# KiCad board EnvKB65.kicad_pcb
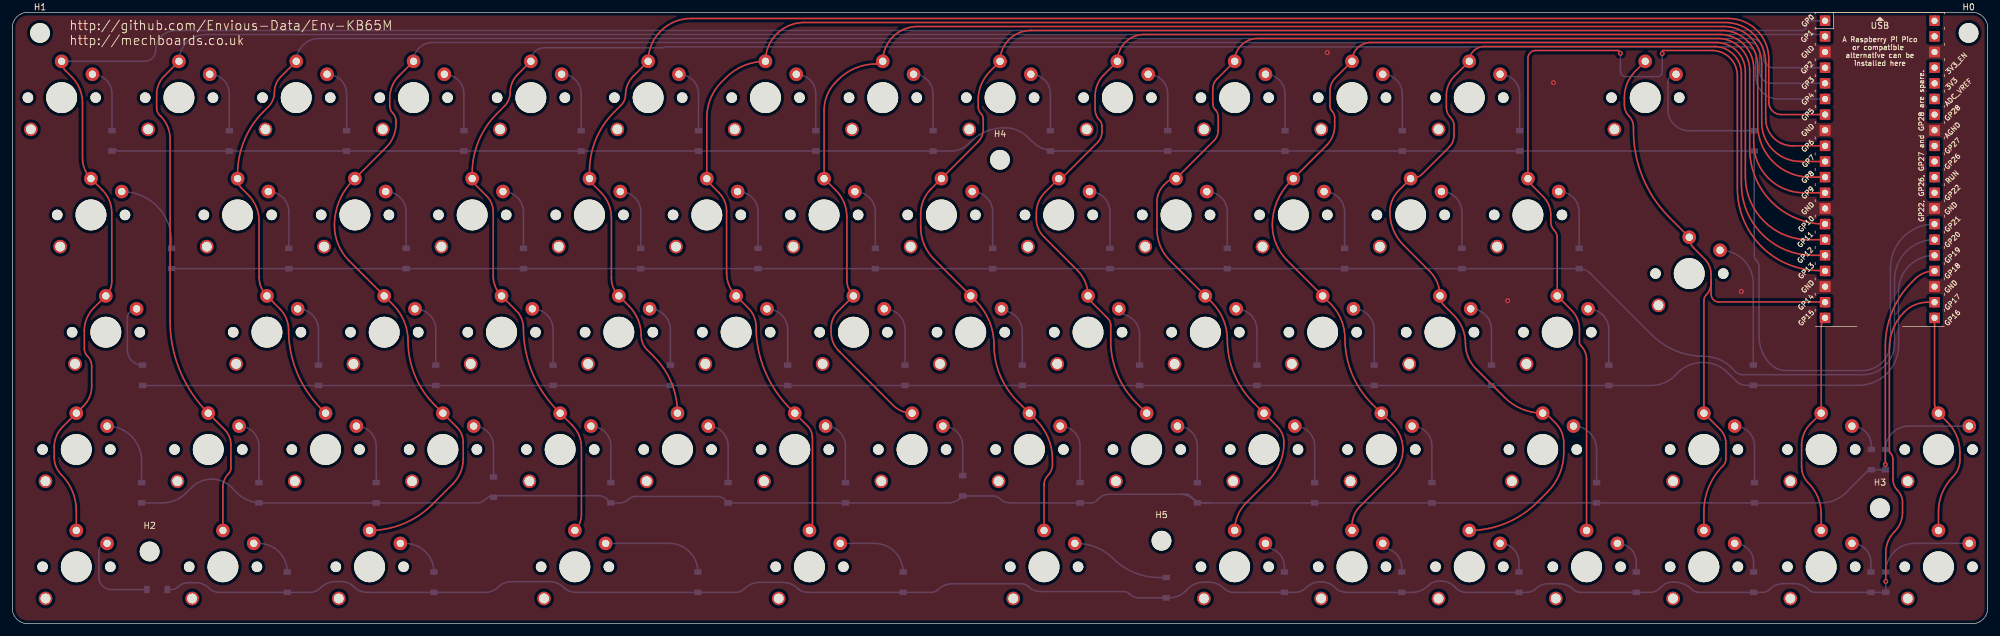
[diagram p0: board, top side]
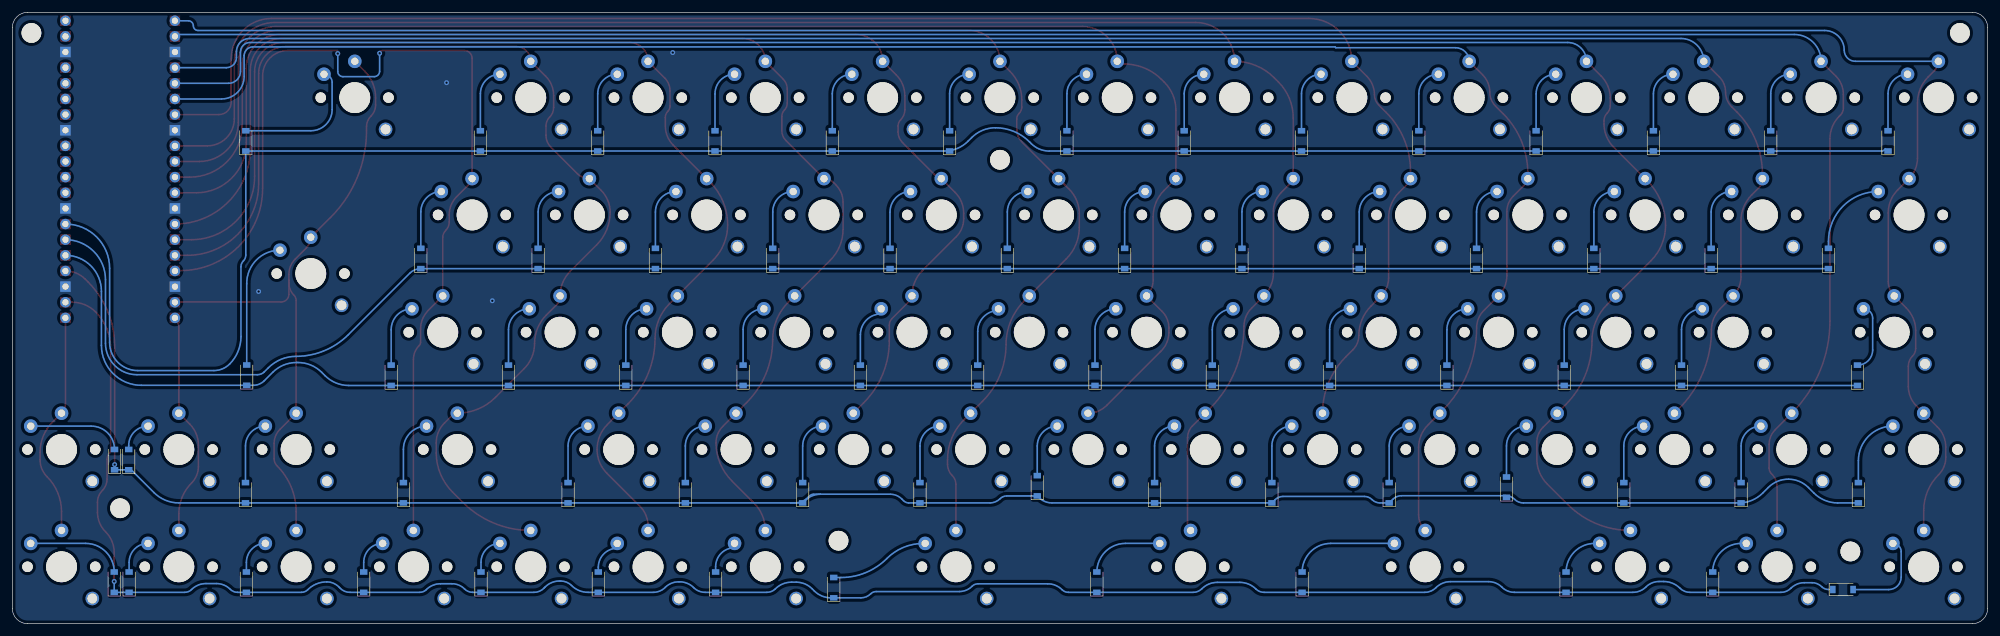
[diagram p1: board, bottom side, seen from below]

Outline 320.8 x 99.3 mm; copper layers: Top, Bottom. Coordinates in mm from the lower left corner of the outline.
Outline path: 0,96.8 arc(0.73,98.57) 2.5,99.3 318.3,99.3 arc(320.07,98.57) 320.8,96.8 320.8,2.5 arc(320.07,0.73) 318.3,0 2.5,0 arc(0.73,0.73) 0,2.5 0,96.8
Stack: Top 0.035mm / dielectric 1.51mm FR4 er 4.5 / Bottom 0.035mm

## Placement (name value [footprint] x y rotation side)
D_0  1n4148  [D_SOD-123]  16.18 78.42 90 bottom
D_1  1n4148  [D_SOD-123]  35.23 78.42 90 bottom
D_2  1n4148  [D_SOD-123]  54.28 78.42 90 bottom
D_3  1n4148  [D_SOD-123]  73.33 78.42 90 bottom
D_4  1n4148  [D_SOD-123]  92.38 78.42 90 bottom
D_5  1n4148  [D_SOD-123]  111.43 78.42 90 bottom
D_6  1n4148  [D_SOD-123]  130.48 78.42 90 bottom
D_7  1n4148  [D_SOD-123]  149.53 78.42 90 bottom
D_8  1n4148  [D_SOD-123]  168.58 78.42 90 bottom
D_9  1n4148  [D_SOD-123]  187.63 78.42 90 bottom
D_10  1n4148  [D_SOD-123]  206.68 78.42 90 bottom
D_11  1n4148  [D_SOD-123]  225.73 78.42 90 bottom
D_12  1n4148  [D_SOD-123]  244.78 78.42 90 bottom
D_13  1n4148  [D_SOD-123]  282.88 78.42 90 bottom
D_14  1n4148  [D_SOD-123]  25.86 59.32 90 bottom
D_15  1n4148  [D_SOD-123]  44.91 59.32 90 bottom
D_16  1n4148  [D_SOD-123]  63.96 59.32 90 bottom
D_17  1n4148  [D_SOD-123]  83.01 59.32 90 bottom
D_18  1n4148  [D_SOD-123]  102.06 59.32 90 bottom
D_19  1n4148  [D_SOD-123]  121.11 59.32 90 bottom
D_20  1n4148  [D_SOD-123]  140.16 59.32 90 bottom
D_21  1n4148  [D_SOD-123]  159.21 59.32 90 bottom
D_22  1n4148  [D_SOD-123]  178.26 59.32 90 bottom
D_23  1n4148  [D_SOD-123]  197.31 59.32 90 bottom
D_24  1n4148  [D_SOD-123]  216.36 59.32 90 bottom
D_25  1n4148  [D_SOD-123]  235.41 59.32 90 bottom
D_26  1n4148  [D_SOD-123]  254.46 59.32 90 bottom
D_28  1n4148  [D_SOD-123]  21.15 40.34 90 bottom
D_29  1n4148  [D_SOD-123]  49.72 40.34 90 bottom
D_30  1n4148  [D_SOD-123]  68.77 40.34 90 bottom
D_31  1n4148  [D_SOD-123]  87.82 40.34 90 bottom
D_32  1n4148  [D_SOD-123]  106.87 40.34 90 bottom
D_33  1n4148  [D_SOD-123]  125.92 40.34 90 bottom
D_34  1n4148  [D_SOD-123]  144.97 40.34 90 bottom
D_35  1n4148  [D_SOD-123]  164.02 40.34 90 bottom
D_36  1n4148  [D_SOD-123]  183.07 40.34 90 bottom
D_37  1n4148  [D_SOD-123]  202.12 40.34 90 bottom
D_38  1n4148  [D_SOD-123]  221.17 40.34 90 bottom
D_39  1n4148  [D_SOD-123]  240.22 40.34 90 bottom
D_40  1n4148  [D_SOD-123]  259.27 40.34 90 bottom
D_41  1n4148  [D_SOD-123]  282.73 40.37 90 bottom
D_42  1n4148  [D_SOD-123]  21 21.27 90 bottom
D_43  1n4148  [D_SOD-123]  40.05 21.27 90 bottom
D_44  1n4148  [D_SOD-123]  59.1 21.27 90 bottom
D_45  1n4148  [D_SOD-123]  78.15 22.17 90 bottom
D_46  1n4148  [D_SOD-123]  97.2 21.27 90 bottom
D_47  1n4148  [D_SOD-123]  116.25 21.27 90 bottom
D_48  1n4148  [D_SOD-123]  135.3 21.27 90 bottom
D_49  1n4148  [D_SOD-123]  154.35 22.4 90 bottom
D_50  1n4148  [D_SOD-123]  173.4 21.27 90 bottom
D_51  1n4148  [D_SOD-123]  192.45 21.27 90 bottom
D_52  1n4148  [D_SOD-123]  211.5 21.27 90 bottom
D_53  1n4148  [D_SOD-123]  230.55 21.27 90 bottom
D_54  1n4148  [D_SOD-123]  257.28 21.27 90 bottom
D_55  1n4148  [D_SOD-123]  282.93 21.27 90 bottom
D_56  1n4148  [D_SOD-123]  301.9 26.65 90 bottom
D_57  1n4148  [D_SOD-123]  304.2 26.65 90 bottom
D_58  1n4148  [D_SOD-123]  23.5 5.55 180 bottom
D_59  1n4148  [D_SOD-123]  44.66 6.74 90 bottom
D_60  1n4148  [D_SOD-123]  68.47 6.74 90 bottom
D_61  1n4148  [D_SOD-123]  111.33 6.74 90 bottom
D_62  1n4148  [D_SOD-123]  144.67 6.74 90 bottom
D_63  1n4148  [D_SOD-123]  187.4 5.85 90 bottom
D_64  1n4148  [D_SOD-123]  206.58 6.74 90 bottom
D_65  1n4148  [D_SOD-123]  225.63 6.74 90 bottom
D_66  1n4148  [D_SOD-123]  244.68 6.74 90 bottom
D_67  1n4148  [D_SOD-123]  263.73 6.74 90 bottom
D_68  1n4148  [D_SOD-123]  282.78 6.74 90 bottom
D_69  1n4148  [D_SOD-123]  301.83 6.74 90 bottom
D_70  1n4148  [D_SOD-123]  304.25 6.74 90 bottom
H0  MountingHole  [MountingHole_3.2mm_M3]  317.7 95.95 0 top
H1  MountingHole  [MountingHole_3.2mm_M3]  4.5 95.95 0 top
H2  MountingHole  [MountingHole_3.2mm_M3]  22.3 11.73 0 top
H3  MountingHole  [MountingHole_3.2mm_M3]  303.3 18.75 0 top
H4  MountingHole  [MountingHole_3.2mm_M3]  160.4 75.35 0 top
H5  MountingHole  [MountingHole_3.2mm_M3]  186.62 13.47 0 top
K_0  MX Switch  [SW_Kailh_Choc_V2]  8.01 85.44 0 top
K_1  MX Switch  [SW_Kailh_Choc_V2]  27.06 85.44 0 top
K_2  MX Switch  [SW_Kailh_Choc_V2]  46.11 85.44 0 top
K_3  MX Switch  [SW_Kailh_Choc_V2]  65.16 85.44 0 top
K_4  MX Switch  [SW_Kailh_Choc_V2]  84.21 85.44 0 top
K_5  MX Switch  [SW_Kailh_Choc_V2]  103.26 85.44 0 top
K_6  MX Switch  [SW_Kailh_Choc_V2]  122.31 85.44 0 top
K_7  MX Switch  [SW_Kailh_Choc_V2]  141.36 85.44 0 top
K_8  MX Switch  [SW_Kailh_Choc_V2]  160.41 85.44 0 top
K_9  MX Switch  [SW_Kailh_Choc_V2]  179.46 85.44 0 top
K_10  MX Switch  [SW_Kailh_Choc_V2]  198.51 85.44 0 top
K_11  MX Switch  [SW_Kailh_Choc_V2]  217.56 85.44 0 top
K_12  MX Switch  [SW_Kailh_Choc_V2]  236.61 85.44 0 top
K_13  MX Switch  [SW_Kailh_Choc_V2]  265.18 85.44 0 top
K_14  MX Switch  [SW_Kailh_Choc_V2]  12.77 66.39 0 top
K_15  MX Switch  [SW_Kailh_Choc_V2]  36.58 66.39 0 top
K_16  MX Switch  [SW_Kailh_Choc_V2]  55.63 66.39 0 top
K_17  MX Switch  [SW_Kailh_Choc_V2]  74.68 66.39 0 top
K_18  MX Switch  [SW_Kailh_Choc_V2]  93.73 66.39 0 top
K_19  MX Switch  [SW_Kailh_Choc_V2]  112.78 66.39 0 top
K_20  MX Switch  [SW_Kailh_Choc_V2]  131.83 66.39 0 top
K_21  MX Switch  [SW_Kailh_Choc_V2]  150.88 66.39 0 top
K_22  MX Switch  [SW_Kailh_Choc_V2]  169.93 66.39 0 top
K_23  MX Switch  [SW_Kailh_Choc_V2]  188.98 66.39 0 top
K_24  MX Switch  [SW_Kailh_Choc_V2]  208.03 66.39 0 top
K_25  MX Switch  [SW_Kailh_Choc_V2]  227.08 66.39 0 top
K_26  MX Switch  [SW_Kailh_Choc_V2]  246.13 66.39 0 top
K_29  MX Switch  [SW_Kailh_Choc_V2]  15.18 47.34 0 top
K_30  MX Switch  [SW_Kailh_Choc_V2]  41.35 47.34 0 top
K_31  MX Switch  [SW_Kailh_Choc_V2]  60.4 47.34 0 top
K_32  MX Switch  [SW_Kailh_Choc_V2]  79.45 47.34 0 top
K_33  MX Switch  [SW_Kailh_Choc_V2]  98.5 47.34 0 top
K_34  MX Switch  [SW_Kailh_Choc_V2]  117.55 47.34 0 top
K_35  MX Switch  [SW_Kailh_Choc_V2]  136.6 47.34 0 top
K_36  MX Switch  [SW_Kailh_Choc_V2]  155.65 47.34 0 top
K_37  MX Switch  [SW_Kailh_Choc_V2]  174.7 47.34 0 top
K_38  MX Switch  [SW_Kailh_Choc_V2]  193.75 47.34 0 top
K_39  MX Switch  [SW_Kailh_Choc_V2]  212.8 47.34 0 top
K_40  MX Switch  [SW_Kailh_Choc_V2]  231.85 47.34 0 top
K_41  MX Switch  [SW_Kailh_Choc_V2]  250.9 47.34 0 top
K_42  MX Switch  [SW_Kailh_Choc_V2]  272.33 56.87 0 top
K_44  MX Switch  [SW_Kailh_Choc_V2]  10.39 28.29 0 top
K_45  MX Switch  [SW_Kailh_Choc_V2]  31.82 28.29 0 top
K_46  MX Switch  [SW_Kailh_Choc_V2]  50.87 28.29 0 top
K_47  MX Switch  [SW_Kailh_Choc_V2]  69.92 28.29 0 top
K_48  MX Switch  [SW_Kailh_Choc_V2]  88.97 28.29 0 top
K_49  MX Switch  [SW_Kailh_Choc_V2]  108.02 28.29 0 top
K_50  MX Switch  [SW_Kailh_Choc_V2]  127.07 28.29 0 top
K_51  MX Switch  [SW_Kailh_Choc_V2]  146.12 28.29 0 top
K_52  MX Switch  [SW_Kailh_Choc_V2]  165.17 28.29 0 top
K_53  MX Switch  [SW_Kailh_Choc_V2]  184.22 28.29 0 top
K_54  MX Switch  [SW_Kailh_Choc_V2]  203.27 28.29 0 top
K_55  MX Switch  [SW_Kailh_Choc_V2]  222.32 28.29 0 top
K_56  MX Switch  [SW_Kailh_Choc_V2]  248.53 28.29 0 top
K_57  MX Switch  [SW_Kailh_Choc_V2]  274.71 28.29 0 top
K_58  MX Switch  [SW_Kailh_Choc_V2]  293.76 28.29 0 top
K_59  MX Switch  [SW_Kailh_Choc_V2]  312.81 28.29 0 top
K_60  MX Switch  [SW_Kailh_Choc_V2]  10.39 9.24 0 top
K_61  MX Switch  [SW_Kailh_Choc_V2]  34.2 9.24 0 top
K_62  MX Switch  [SW_Kailh_Choc_V2]  58.02 9.24 0 top
K_63  MX Switch  [SW_Kailh_Choc_V2]  91.35 9.24 0 top
K_64  MX Switch  [SW_Kailh_Choc_V2]  129.45 9.24 0 top
K_65  MX Switch  [SW_Kailh_Choc_V2]  167.55 9.24 0 top
K_66  MX Switch  [SW_Kailh_Choc_V2]  198.51 9.24 0 top
K_67  MX Switch  [SW_Kailh_Choc_V2]  217.56 9.24 0 top
K_68  MX Switch  [SW_Kailh_Choc_V2]  236.61 9.24 0 top
K_69  MX Switch  [SW_Kailh_Choc_V2]  255.66 9.24 0 top
K_70  MX Switch  [SW_Kailh_Choc_V2]  274.71 9.24 0 top
K_71  MX Switch  [SW_Kailh_Choc_V2]  293.76 9.24 0 top
K_72  MX Switch  [SW_Kailh_Choc_V2]  312.81 9.24 0 top
U0  Pico  [RPi_Pico_SMD_TH]  303.28 73.8 0 top

## Footprints (pads in the part's own frame, mm; a bottom-side part is the same pattern mirrored in y, then rotated)
D_SOD-123
  rect 0.9x1.2 smd: 1(-1.65,0) 2(1.65,0)
MountingHole_3.2mm_M3
  round 3.2 hole 3.2 unplated: (0,0)
RPi_Pico_SMD_TH
  rect 1.7x1.7 smd: 1(-8.89,24.13) 2(-8.89,21.59) 3(-8.89,19.05) 4(-8.89,16.51) 5(-8.89,13.97) 6(-8.89,11.43) 7(-8.89,8.89) 8(-8.89,6.35) 9(-8.89,3.81) 10(-8.89,1.27) 11(-8.89,-1.27) 12(-8.89,-3.81) 13(-8.89,-6.35) 14(-8.89,-8.89) 15(-8.89,-11.43) 16(-8.89,-13.97) 17(-8.89,-16.51) 18(-8.89,-19.05) 19(-8.89,-21.59) 20(-8.89,-24.13) 21(8.89,-24.13) 22(8.89,-21.59) 23(8.89,-19.05) 24(8.89,-16.51) 25(8.89,-13.97) 26(8.89,-11.43) 27(8.89,-8.89) 28(8.89,-6.35) 29(8.89,-3.81) 30(8.89,-1.27) 31(8.89,1.27) 32(8.89,3.81) 33(8.89,6.35) 34(8.89,8.89) 35(8.89,11.43) 36(8.89,13.97) 37(8.89,16.51) 38(8.89,19.05) 39(8.89,21.59) 40(8.89,24.13)
  oval 1.7x1.7 hole 1.02: 1(-8.89,24.13) 2(-8.89,21.59) 4(-8.89,16.51) 5(-8.89,13.97) 6(-8.89,11.43) 7(-8.89,8.89) 9(-8.89,3.81) 10(-8.89,1.27) 11(-8.89,-1.27) 12(-8.89,-3.81) 14(-8.89,-8.89) 15(-8.89,-11.43) 16(-8.89,-13.97) 17(-8.89,-16.51) 19(-8.89,-21.59) 20(-8.89,-24.13) 21(8.89,-24.13) 22(8.89,-21.59) 24(8.89,-16.51) 25(8.89,-13.97) 26(8.89,-11.43) 27(8.89,-8.89) 29(8.89,-3.81) 30(8.89,-1.27) 31(8.89,1.27) 32(8.89,3.81) 34(8.89,8.89) 35(8.89,11.43) 36(8.89,13.97) 37(8.89,16.51) 39(8.89,21.59) 40(8.89,24.13)
  rect 1.7x1.7 hole 1.02: 3(-8.89,19.05) 8(-8.89,6.35) 13(-8.89,-6.35) 18(-8.89,-19.05) 23(8.89,-19.05) 28(8.89,-6.35) 33(8.89,6.35) 38(8.89,19.05)
SW_Kailh_Choc_V2
  round 1.702 hole 1.702 unplated: (-5.475,0) (5.525,0)
  round 2.2 hole 1.6: (-5,-5.15)
  round 5 hole 5 unplated: (0,0)
  round 2.2 hole 1.2: 1(0,5.9) 2(5,3.8)

## Nets
gnd: U0.3 U0.8 U0.13 U0.18 U0.23 U0.28 U0.33 U0.38
col0: K_0.1 K_14.1 K_29.1 K_44.1 K_60.1 U0.1
col1: K_1.1 K_45.1 K_61.1 U0.2
col2: K_2.1 K_15.1 K_30.1 K_46.1 U0.4
col3: K_3.1 K_16.1 K_31.1 K_47.1 K_62.1 U0.5
col4: K_4.1 K_17.1 K_32.1 K_48.1 K_63.1 U0.6
col5: K_5.1 K_18.1 K_33.1 K_49.1 U0.7
col6: K_6.1 K_19.1 K_34.1 K_50.1 K_64.1 U0.9
col7: K_7.1 K_20.1 K_35.1 K_51.1 U0.10
col8: K_8.1 K_21.1 K_36.1 K_52.1 K_65.1 U0.11
col9: K_9.1 K_22.1 K_37.1 K_53.1 U0.12
col10: K_10.1 K_23.1 K_38.1 K_54.1 K_66.1 U0.14
col11: K_11.1 K_24.1 K_39.1 K_55.1 K_67.1 U0.15
col12: K_12.1 K_25.1 K_40.1 K_56.1 K_68.1 U0.16
col13: K_26.1 K_41.1 K_69.1 U0.17
col14: K_13.1 K_42.1 K_57.1 K_70.1 U0.19
col15: K_58.1 K_71.1 U0.20
col16: K_59.1 K_72.1 U0.21
GPIO22: U0.29
GPIO26: U0.31
GPIO27: U0.32
GPIO28: U0.34
row0: D_0.1 D_1.1 D_2.1 D_3.1 D_4.1 D_5.1 D_6.1 D_7.1 D_8.1 D_9.1 D_10.1 D_11.1 D_12.1 D_13.1 U0.27
row1: D_14.1 D_15.1 D_16.1 D_17.1 D_18.1 D_19.1 D_20.1 D_21.1 D_22.1 D_23.1 D_24.1 D_25.1 D_26.1 U0.26
row2: D_28.1 D_29.1 D_30.1 D_31.1 D_32.1 D_33.1 D_34.1 D_35.1 D_36.1 D_37.1 D_38.1 D_39.1 D_40.1 D_41.1 U0.25
row3: D_42.1 D_43.1 D_44.1 D_45.1 D_46.1 D_47.1 D_48.1 D_49.1 D_50.1 D_51.1 D_52.1 D_53.1 D_54.1 D_55.1 D_56.1 D_57.1 U0.24
row4: D_58.1 D_59.1 D_60.1 D_61.1 D_62.1 D_63.1 D_64.1 D_65.1 D_66.1 D_67.1 D_68.1 D_69.1 D_70.1 U0.22
Net-(D_0-Pad2): D_0.2 K_0.2
Net-(D_1-Pad2): D_1.2 K_1.2
Net-(D_2-Pad2): D_2.2 K_2.2
Net-(D_3-Pad2): D_3.2 K_3.2
Net-(D_4-Pad2): D_4.2 K_4.2
Net-(D_5-Pad2): D_5.2 K_5.2
Net-(D_6-Pad2): D_6.2 K_6.2
Net-(D_7-Pad2): D_7.2 K_7.2
Net-(D_8-Pad2): D_8.2 K_8.2
Net-(D_9-Pad2): D_9.2 K_9.2
Net-(D_10-Pad2): D_10.2 K_10.2
Net-(D_11-Pad2): D_11.2 K_11.2
Net-(D_12-Pad2): D_12.2 K_12.2
Net-(D_13-Pad2): D_13.2 K_13.2
Net-(D_14-Pad2): D_14.2 K_14.2
Net-(D_15-Pad2): D_15.2 K_15.2
Net-(D_16-Pad2): D_16.2 K_16.2
Net-(D_17-Pad2): D_17.2 K_17.2
Net-(D_18-Pad2): D_18.2 K_18.2
Net-(D_19-Pad2): D_19.2 K_19.2
Net-(D_20-Pad2): D_20.2 K_20.2
Net-(D_21-Pad2): D_21.2 K_21.2
Net-(D_22-Pad2): D_22.2 K_22.2
Net-(D_23-Pad2): D_23.2 K_23.2
Net-(D_24-Pad2): D_24.2 K_24.2
Net-(D_25-Pad2): D_25.2 K_25.2
Net-(D_26-Pad2): D_26.2 K_26.2
Net-(D_28-Pad2): D_28.2 K_29.2
Net-(D_29-Pad2): D_29.2 K_30.2
Net-(D_30-Pad2): D_30.2 K_31.2
Net-(D_31-Pad2): D_31.2 K_32.2
Net-(D_32-Pad2): D_32.2 K_33.2
Net-(D_33-Pad2): D_33.2 K_34.2
Net-(D_34-Pad2): D_34.2 K_35.2
Net-(D_35-Pad2): D_35.2 K_36.2
Net-(D_36-Pad2): D_36.2 K_37.2
Net-(D_37-Pad2): D_37.2 K_38.2
Net-(D_38-Pad2): D_38.2 K_39.2
Net-(D_39-Pad2): D_39.2 K_40.2
Net-(D_40-Pad2): D_40.2 K_41.2
Net-(D_41-Pad2): D_41.2 K_42.2
Net-(D_42-Pad2): D_42.2 K_44.2
Net-(D_43-Pad2): D_43.2 K_45.2
Net-(D_44-Pad2): D_44.2 K_46.2
Net-(D_45-Pad2): D_45.2 K_47.2
Net-(D_46-Pad2): D_46.2 K_48.2
Net-(D_47-Pad2): D_47.2 K_49.2
Net-(D_48-Pad2): D_48.2 K_50.2
Net-(D_49-Pad2): D_49.2 K_51.2
Net-(D_50-Pad2): D_50.2 K_52.2
Net-(D_51-Pad2): D_51.2 K_53.2
Net-(D_52-Pad2): D_52.2 K_54.2
Net-(D_53-Pad2): D_53.2 K_55.2
Net-(D_54-Pad2): D_54.2 K_56.2
Net-(D_55-Pad2): D_55.2 K_57.2
Net-(D_56-Pad2): D_56.2 K_58.2
Net-(D_57-Pad2): D_57.2 K_59.2
Net-(D_58-Pad2): D_58.2 K_60.2
Net-(D_59-Pad2): D_59.2 K_61.2
Net-(D_60-Pad2): D_60.2 K_62.2
Net-(D_61-Pad2): D_61.2 K_63.2
Net-(D_62-Pad2): D_62.2 K_64.2
Net-(D_63-Pad2): D_63.2 K_65.2
Net-(D_64-Pad2): D_64.2 K_66.2
Net-(D_65-Pad2): D_65.2 K_67.2
Net-(D_66-Pad2): D_66.2 K_68.2
Net-(D_67-Pad2): D_67.2 K_69.2
Net-(D_68-Pad2): D_68.2 K_70.2
Net-(D_69-Pad2): D_69.2 K_71.2
Net-(D_70-Pad2): D_70.2 K_72.2

Pads without a net: U0 30 35 36 37 39 40

## Via types
v1: diameter 0.8, hole 0.4, Top to Bottom, 8 vias

## Routing (per net, layer and track width the routed paths; a pad name or vN(x,y) marks a point on that pad's centre or on a via; arc(x,y) is an arc through that point)
gnd:
  vias: v1(213.55,92.76) v1(242.85,52.45) v1(250.28,87.87) v1(280.8,53.95)
col0: length 373.8
  Top w0.25: K_60.1 10.39,18.36 arc(9.76,21.52) 7.97,24.2 arc(7.1,25.5) 6.8,27.02 6.8,28.66 arc(7.16,30.45) 8.17,31.97 K_44.1 11.58,35.38 arc(12.55,36.83) 12.89,38.54 12.89,41.82 arc(12.72,42.7) 12.22,43.44 arc(11.83,44.03) 11.69,44.72 11.69,47.58 arc(12.09,49.58) 13.22,51.28 K_29.1 arc(15.9,54.31) 16.15,55.57 16.15,66.75 arc(15.75,68.75) 14.62,70.44 K_14.1 arc(11.76,73.81) 11.4,75.6 11.4,84.59 arc(10.95,86.87) 9.65,88.81 8.64,89.82 arc(8.17,90.52) K_0.1
  Bottom w0.25: K_0.1 21.49,91.34 arc(22.77,91.87) 23.3,93.15 arc(24.24,95.41) 26.5,96.35 290.65,96.35 arc(291.18,96.57) 291.4,97.1 arc(291.64,97.69) 292.23,97.93 U0.1
col1: length 351
  Top w0.25: K_1.1 24.67,88.95 arc(23.76,87.59) 23.44,85.98 23.44,83.75 arc(23.56,83.12) 23.92,82.59 24.11,82.4 arc(25.23,80.73) 25.62,78.76 25.62,49.16 arc(27.23,41.06) K_45.1 34.48,31.53 arc(35.23,30.4) 35.5,29.07 35.5,25.27 arc(35.4,24.79) 35.13,24.38 arc(34.44,23.35) 34.2,22.14 K_61.1
  Bottom w0.25: 294.08,95.7 31.42,95.7 arc(28.34,94.42) K_1.1
col2: length 316.4
  Top w0.25: K_2.1 43.6,88.84 arc(42.84,87.69) 42.57,86.34 arc(42.31,85.06) 41.59,83.97 40.78,83.16 arc(37.67,78.51) 36.58,73.03 ; 50.18,34.88 arc(46.24,40.78) 44.86,47.73 arc(44.49,49.58) 43.45,51.14 K_30.1 arc(40.4,54.66) 40.07,56.32 40.07,65.43 arc(39.62,67.7) 38.33,69.63 37.23,70.73 arc(36.75,71.45) K_15.1
  Bottom w0.25: U0.4 286.04,90.31 arc(284.88,90.79) 284.4,91.95 284.4,92.93 arc(283.78,94.43) 282.28,95.05 49.82,95.05 arc(47.2,93.96) K_2.1
col3: length 333.1
  Top w0.25: K_16.1 60.74,77.4 arc(61.9,79.14) 62.31,81.18 62.31,81.67 arc(62.17,82.35) 61.79,82.93 arc(61.42,83.48) 61.29,84.14 61.29,85.35 arc(61.68,87.31) 62.79,88.97 K_3.1 ; K_62.1 arc(63.53,16.24) 68.2,19.36 71.55,22.71 arc(72.79,24.56) 73.22,26.74 73.22,29.47 arc(72.96,30.78) 72.21,31.9 K_47.1 68.55,35.56 arc(65.38,40.3) 64.27,45.9 arc(63.63,49.1) 61.82,51.82 K_31.1 54.7,58.94 arc(52.93,61.59) 52.31,64.71 arc(53.09,68.64) 55.32,71.98
  Bottom w0.25: U0.5 285.68,87.77 arc(284.32,88.34) 283.75,89.7 283.75,92.84 arc(283.29,93.94) 282.19,94.4 68.22,94.4 arc(66.06,93.5) K_3.1
col4: length 300.7
  Top w0.25: K_4.1 82.03,89.17 arc(81.17,87.87) 80.86,86.33 arc(80.62,85.1) 79.92,84.06 78.68,82.82 arc(75.72,78.39) 74.68,73.17 ; K_48.1 90.92,32.24 arc(92.03,30.58) 92.42,28.62 92.42,17.72 arc(92.14,16.32) K_63.1 ; 75.03,71.46 77.05,69.44 arc(77.82,68.29) 78.09,66.93 78.09,56.52 arc(78.44,54.74) K_32.1 81.84,50.85 arc(82.7,49.56) 83,48.05 arc(84.45,40.76) 88.58,34.59
  Bottom w0.25: U0.6 286.82,85.23 arc(284.22,86.3) 283.15,88.9 283.15,92.25 arc(282.73,93.27) 281.72,93.68 105.99,93.68 105.85,93.55 86.42,93.55 arc(84.86,92.9) K_4.1
col5: length 271
  Top w0.25: K_18.1 93.73,73.49 arc(94.76,78.66) 97.69,83.04 98.91,84.26 arc(99.41,85.01) 99.59,85.9 arc(99.92,87.54) 100.84,88.92 K_5.1 arc(105.3,96.26) 110.22,98.3 278.69,98.3 arc(283.33,96.38) 285.25,91.74 285.25,84.7 arc(285.84,83.28) 287.26,82.69 U0.7 ; 94.01,71.63 95.59,70.05 arc(96.85,68.17) 97.29,65.95 97.29,56.15 arc(97.6,54.58) K_33.1 100.14,51.59 arc(101.61,49.39) 102.13,46.8 arc(102.38,45.55) 103.08,44.5 104.23,43.35 arc(107.04,39.15) K_49.1
col6: length 277.7
  Top w0.25: U0.9 289.14,77.61 arc(286.04,78.9) 284.75,82 284.75,91.06 arc(282.82,95.72) 278.16,97.65 128.62,97.65 arc(124.16,95.8) K_6.1 arc(118.83,90.65) 115.88,88.68 115.19,87.99 arc(113.41,85.33) 112.78,82.18 K_19.1 ; 113.01,71.75 114.75,70.01 arc(115.68,68.63) 116,66.99 116,56.97 arc(116.4,54.95) K_34.1 119.56,51.23 arc(120.46,49.88) 120.78,48.28 arc(122.21,41.08) 126.29,34.97 K_50.1 129.18,32.09 arc(129.73,31.26) 129.92,30.29 129.95,30.26 129.95,16.33 arc(129.82,15.69) K_64.1
col7: length 244.7
  Top w0.25: U0.10 290.43,75.07 arc(285.95,76.92) 284.1,81.4 284.1,90.87 arc(282.31,95.21) 277.97,97 147.02,97 arc(143.02,95.34) K_7.1 arc(140.88,91.02) 140.32,90.91 140.24,90.91 arc(136.95,90.26) 134.16,88.39 133.71,87.94 arc(132.32,85.86) 131.83,83.41 K_20.1 133.77,70.36 arc(135.07,68.41) 135.53,66.1 135.53,55.82 arc(135.81,54.42) K_35.1 134.09,50.73 arc(133.26,49.49) 132.97,48.03 132.97,47.34 arc(133.3,45.69) 134.24,44.28 143.06,35.46 arc(144.47,34.52) K_51.1
col8: length 243.5
  Top w0.25: U0.11 291.97,72.53 arc(285.95,75.03) 283.45,81.05 283.45,90.61 arc(281.77,94.67) 277.71,96.35 165.42,96.35 arc(161.88,94.88) K_8.1 158.77,89.7 arc(157.36,87.59) 156.86,85.09 156.86,83.94 arc(156.97,83.37) 157.3,82.88 arc(157.58,82.46) 157.68,81.96 157.68,80.3 arc(157.46,79.18) 156.82,78.23 K_21.1 149.18,70.59 arc(147.95,68.75) 147.52,66.58 147.52,64.38 arc(148.07,61.6) 149.65,59.24 K_36.1 156.51,52.38 arc(158.66,49.15) 159.42,45.35 arc(160.41,40.35) 163.24,36.12 K_52.1 166.27,33.1 arc(168.23,30.16) 168.92,26.69 168.92,25.88 arc(168.73,24.91) 168.18,24.09 arc(167.72,23.4) 167.55,22.58 K_65.1
col9: length 205
  Top w0.25: K_22.1 167.7,70.05 arc(166.66,68.51) 166.3,66.68 166.3,65.76 arc(166.61,64.19) 167.5,62.86 172.98,57.38 arc(174.25,55.48) K_37.1 ; K_53.1 182.56,35.86 arc(179.47,40.48) 178.38,45.94 178.38,48.5 arc(178.27,49.07) 177.94,49.56 175.01,52.49 ; U0.12 290.91,69.99 arc(285.18,72.37) 282.8,78.1 282.8,90.23 arc(281.2,94.1) 277.33,95.7 183.82,95.7 arc(180.74,94.42) K_9.1 177.25,89.13 arc(176.21,87.58) 175.85,85.75 175.85,83.5 arc(176.03,82.59) 176.54,81.83 arc(176.85,81.36) 176.96,80.82 176.96,79.87 arc(176.78,78.96) 176.26,78.18 170.68,72.6
col10: length 212.5
  Top w0.25: K_66.1 arc(198.99,17.56) 200.36,19.61 203.96,23.21 arc(205.85,26.05) 206.52,29.39 arc(206.23,30.82) 205.42,32.04 K_54.1 201.55,35.92 arc(198.42,40.6) 197.32,46.12 arc(196.67,49.4) 194.81,52.18 K_38.1 187.98,59.01 arc(186.43,61.32) 185.89,64.05 185.89,68.47 arc(186.19,69.99) 187.05,71.27 187.43,71.65 arc(188.14,72.12) K_23.1 195.18,78.49 arc(195.66,79.21) 195.83,80.05 195.83,82.41 arc(195.72,82.95) 195.41,83.42 arc(195.07,83.93) 194.95,84.53 194.95,86.85 arc(195.12,87.71) 195.61,88.44 K_10.1 arc(199.6,93.96) 202.22,95.05 277,95.05 arc(280.64,93.54) 282.15,89.9 282.15,77.15 arc(285.74,68.5) U0.14
col11: length 194.3
  Top w0.25: U0.15 291.73,62.37 arc(284.46,65.38) 281.45,72.65 281.45,89.67 arc(280.06,93.01) 276.72,94.4 220.62,94.4 arc(218.46,93.5) K_11.1 214.85,88.64 arc(214.21,87.68) 213.99,86.55 213.99,84.07 arc(214.08,83.62) 214.33,83.24 arc(214.64,82.78) 214.75,82.23 214.75,80.84 arc(214.41,79.15) 213.45,77.71 K_24.1 ; 207.54,71.8 arc(205.39,68.57) 204.63,64.77 arc(205.25,61.66) 207.01,59.03 K_39.1 214.1,51.94 arc(215.82,49.37) 216.42,46.33 arc(217.57,40.57) 220.83,35.68 K_55.1 224.15,32.36 arc(225.4,30.49) 225.84,28.28 arc(225.43,26.2) 224.25,24.44 218.88,19.07 arc(217.9,17.61) 217.56,15.88
col12: length 189.1
  Top w0.25: U0.16 292.42,59.83 arc(284.2,63.23) 280.8,71.45 280.8,89.35 arc(279.51,92.46) 276.4,93.75 239.02,93.75 arc(237.31,93.04) K_12.1 234.18,88.91 arc(233.22,87.48) 232.89,85.8 232.89,83.85 arc(233.06,82.98) 233.55,82.25 arc(233.98,81.61) 234.13,80.85 234.13,79.31 arc(233.92,78.28) 233.34,77.4 229.04,73.1 arc(228.14,72.5) K_25.1 225.19,70.39 arc(224.09,68.76) 223.71,66.83 arc(224.28,63.96) 225.91,61.52 230.19,57.24 arc(231.42,55.4) K_40.1 arc(232.01,52.42) 232.47,51.73 234.08,50.12 arc(235.49,48) 235.99,45.51 arc(236.43,43.29) 237.69,41.41 242.35,36.75 arc(245.19,34.86) K_56.1 ; 249.36,33.85 250.63,32.58 arc(251.61,31.11) 251.96,29.37 251.96,27.76 arc(251.27,24.31) 249.32,21.39 247.64,19.71 arc(242.58,16.33) K_68.1
col13: length 162.9
  Top w0.25: v1(267.95,92.6) 267.95,93 268.05,93.1 276.04,93.1 arc(278.95,91.9) 280.15,88.99 280.15,70.7 arc(284.06,61.26) 293.5,57.35 ; 246.44,71.55 248.63,69.36 arc(249.53,68.01) 249.85,66.41 249.85,65.25 arc(250,64.5) 250.42,63.87 arc(250.77,63.34) 250.9,62.72 K_41.1 253.24,50.9 arc(254.17,49.5) 254.5,47.85 254.5,45.71 arc(254.56,45.42) 254.72,45.18 arc(255.42,44.14) 255.66,42.91 K_69.1 ; K_26.1 246.13,91.83 arc(246.5,92.73) 247.4,93.1 260.7,93.1 arc(261.02,92.97) v1(261.15,92.65)
  Bottom w0.25: v1(267.95,92.6) 267.95,89.69 arc(267.7,89.1) 267.11,88.85 262.03,88.85 arc(261.41,89.11) 261.15,89.73 v1(261.15,92.65)
col14: length 106
  Top w0.25: K_13.1 263.57,89.73 arc(262.26,87.77) 261.8,85.45 261.8,84.28 arc(262,83.28) 262.57,82.43 arc(263.09,81.64) 263.28,80.71 263.28,80.05 arc(264.79,72.45) 269.1,66 K_42.1 arc(272.52,61.82) 273.06,61.02 274.84,59.24 arc(275.61,58.09) 275.88,56.73 275.88,55.83 ; 294.35,52.25 277.15,52.25 arc(276.25,52.62) 275.88,53.52 275.88,55.83 ; 275.88,55.83 275.88,55.31 arc(275.67,54.27) 275.08,53.38 arc(274.81,52.97) 274.71,52.48 K_57.1 277.34,31.56 arc(278.04,30.51) 278.29,29.26 278.29,26.8 arc(278.17,26.17) 277.81,25.64 arc(275.52,22.21) 274.71,18.15 K_70.1
col15: length 36.7
  Top w0.25: K_71.1 293.76,17.85 arc(293.22,20.56) 291.69,22.85 arc(290.87,24.08) 290.58,25.53 290.58,29 arc(290.95,30.86) 292,32.43 K_58.1 293.76,48.15 arc(293.92,48.97) U0.20
col16: length 36.8
  Top w0.25: K_72.1 312.81,18.19 arc(313.42,21.27) 315.16,23.87 arc(316,25.12) 316.29,26.6 316.29,27.86 arc(315.77,30.49) 314.27,32.73 K_59.1 arc(312.34,34.9) 312.17,35.73 U0.21
row0: length 349.6
  Bottom w0.25: 16.57,77.15 16.76,76.96 arc(16.97,76.82) 17.22,76.77 152.41,76.77 arc(153.99,77.08) 155.32,77.97 155.6,78.25 arc(158.15,79.95) 161.15,80.55 arc(163.23,80.14) 164.99,78.96 165.59,78.36 arc(167.36,77.18) 169.44,76.77 D_12.1 D_13.1 282.88,59.87 arc(282.99,59.35) 283.29,58.9 arc(283.57,58.48) 283.67,57.98 283.67,46.61 arc(284.15,44.21) 285.51,42.17 arc(286.68,41.39) 288.07,41.11 300.42,41.11 arc(303.66,42.45) 305,45.69 305,57.74 arc(307.1,62.81) U0.27
row1: length 309.4
  Bottom w0.25: D_14.1 D_26.1 arc(255.42,57.47) 256.24,56.93 266.22,46.95 arc(270.13,44.34) 274.74,43.42 arc(277.16,42.94) 279.22,41.56 279.88,40.9 arc(280.39,40.56) 280.99,40.44 300.56,40.44 arc(304.17,41.94) 305.67,45.55 305.67,55.87 arc(307.57,60.47) U0.26
row2: length 308.9
  Bottom w0.25: D_28.1 D_40.1 ; 259.47,38.69 266.17,38.69 arc(268.25,39.11) 270.01,40.28 270.56,40.83 arc(272.32,42.01) 274.4,42.42 274.67,42.42 arc(276.75,42.01) 278.51,40.83 279.88,39.46 arc(280.7,38.91) 281.68,38.72 D_41.1 299.84,38.72 arc(304.43,40.62) 306.33,45.2 306.33,53.99 arc(308.04,58.12) U0.25
row3: length 332.1
  Top w0.25: v1(304.18,25.84) 304.18,45.1 arc(305.3,50.72) 308.48,55.48 308.96,55.96 arc(310.43,56.94) U0.24
  Bottom w0.25: 189.58,21.02 190.71,21.02 arc(191.02,20.96) 191.28,20.79 191.51,20.55 ; 189.58,21.02 178.2,21.02 arc(177.2,20.82) 176.35,20.26 176.07,19.97 arc(175.68,19.71) 175.21,19.62 D_50.1 162.03,19.62 arc(161.15,19.79) 160.4,20.29 arc(159.89,20.63) 159.29,20.75 D_49.1 ; 189.58,21.02 arc(190.93,20.75) 192.07,19.99 192.26,19.8 191.51,20.55 ; D_42.1 24.36,19.62 arc(26.44,20.03) 28.21,21.21 29.12,22.12 arc(30.62,23.12) 32.38,23.47 arc(34.13,23.12) 35.63,22.12 36.54,21.21 arc(38.31,20.03) 40.39,19.62 75.42,19.62 arc(76.18,19.77) 76.83,20.2 arc(77.48,20.63) 78.24,20.78 95.2,20.78 arc(95.97,20.63) 96.61,20.2 D_46.1 98.7,19.62 arc(99.38,19.75) 99.97,20.14 arc(100.55,20.53) 101.24,20.67 114.45,20.67 arc(115.14,20.53) 115.72,20.14 D_47.1 151.96,19.62 arc(153.12,19.85) 154.1,20.5 ; 191.51,20.55 arc(192.55,19.86) 193.77,19.62 194.42,19.62 ; D_57.1 304.2,25.79 arc(304.19,25.82) v1(304.18,25.84) ; 304.6,25 301.5,25 297.79,21.28 arc(295.94,20.05) 293.76,19.62 194.42,19.62 ; 194.42,19.62 192.71,19.62
row4: length 341.5
  Top w0.25: v1(304.25,6.86) 304.25,11.53 arc(304.62,13.37) 305.66,14.93 arc(306.63,16.38) 306.97,18.1 306.97,19.7 arc(306.76,20.76) 306.16,21.66 arc(305.61,22.48) 305.42,23.45 305.42,26.68 arc(305.31,27.25) 304.99,27.73 arc(304.87,27.91) 304.83,28.11 304.83,44.75 arc(305.46,47.94) 307.27,50.64 arc(309.01,51.8) 311.06,52.21 U0.22
  Bottom w0.25: D_58.1 25.85,5.55 arc(26.45,5.67) 26.96,6.01 arc(27.68,6.49) 28.53,6.66 29.77,6.66 arc(30.96,6.42) 31.97,5.75 arc(32.7,5.26) 33.56,5.09 D_59.1 48.37,5.09 arc(49.23,5.26) 49.96,5.75 arc(51.18,6.56) 52.62,6.85 53.38,6.85 arc(54.52,6.62) 55.48,5.98 arc(56.46,5.32) 57.63,5.09 D_60.1 76.86,5.09 arc(77.96,5.31) 78.89,5.93 arc(79.89,6.6) 81.06,6.83 87.23,6.83 arc(88.52,6.57) 89.62,5.84 arc(90.45,5.29) 91.43,5.09 D_61.1 117.52,5.09 arc(118.24,5.23) 118.85,5.64 arc(120.04,6.43) 121.43,6.71 125.12,6.71 arc(126.47,6.44) 127.61,5.68 arc(128.26,5.24) 129.03,5.09 D_62.1 149.3,5.09 arc(149.85,5.2) 150.31,5.51 arc(151.38,6.23) 152.65,6.48 163.96,6.48 arc(164.49,6.38) 164.93,6.08 arc(165.88,5.44) 167.01,5.22 180.51,5.22 arc(180.99,5.12) 181.4,4.85 arc(182.12,4.37) 182.97,4.2 D_63.1 ; v1(304.25,6.86) D_70.1 D_69.1 292.8,5.09 arc(292.2,5.21) 291.69,5.55 arc(290.62,6.27) 289.35,6.52 287.67,6.52 arc(286.44,6.28) 285.4,5.58 arc(284.86,5.22) 284.22,5.09 D_68.1 273.84,5.09 arc(273.29,5.2) 272.83,5.51 arc(271.41,6.46) 269.74,6.79 269.73,6.79 arc(268.68,6.58) 267.78,5.98 267.54,5.74 arc(266.82,5.26) 265.97,5.09 D_67.1 254.63,5.09 arc(254.06,5.21) 253.57,5.53 arc(252.51,6.24) 251.25,6.49 249.4,6.49 arc(248.3,6.27) 247.37,5.65 arc(246.75,5.24) 246.03,5.09 236.07,5.09 arc(235.21,5.26) 234.48,5.75 234.25,5.98 arc(233.2,6.68) 231.95,6.93 231.74,6.93 arc(230.79,6.74) 229.98,6.2 arc(228.75,5.38) 227.3,5.09 D_65.1 216.71,5.09 arc(215.66,5.3) 214.76,5.9 arc(213.76,6.57) 212.59,6.8 212.42,6.8 arc(211.19,6.56) 210.15,5.86 arc(209.3,5.29) 208.29,5.09 D_64.1 198.25,5.09 arc(197.51,5.24) 196.88,5.66 arc(195.68,6.46) 194.27,6.74 193.49,6.74 arc(192.09,6.46) 190.91,5.67 190.57,5.33 arc(189.32,4.49) 187.84,4.2
Net-(D_0-Pad2): length 11
  Bottom w0.25: D_0.2 16.18,86.07 arc(15.25,88.31) K_0.2
Net-(D_1-Pad2): length 11
  Bottom w0.25: D_1.2 35.23,86.07 arc(34.3,88.31) K_1.2
Net-(D_2-Pad2): length 11
  Bottom w0.25: D_2.2 54.28,86.07 arc(53.35,88.31) K_2.2
Net-(D_3-Pad2): length 11
  Bottom w0.25: D_3.2 73.33,86.07 arc(72.4,88.31) K_3.2
Net-(D_4-Pad2): length 11
  Bottom w0.25: D_4.2 92.38,86.07 arc(91.45,88.31) K_4.2
Net-(D_5-Pad2): length 11
  Bottom w0.25: D_5.2 111.43,86.07 arc(110.5,88.31) K_5.2
Net-(D_6-Pad2): length 11
  Bottom w0.25: D_6.2 130.48,86.07 arc(129.55,88.31) K_6.2
Net-(D_7-Pad2): length 11
  Bottom w0.25: D_7.2 149.53,86.07 arc(148.6,88.31) K_7.2
Net-(D_8-Pad2): length 11
  Bottom w0.25: D_8.2 168.58,86.07 arc(167.65,88.31) K_8.2
Net-(D_9-Pad2): length 11
  Bottom w0.25: D_9.2 187.63,86.07 arc(186.7,88.31) K_9.2
Net-(D_10-Pad2): length 11
  Bottom w0.25: D_10.2 206.68,86.07 arc(205.75,88.31) K_10.2
Net-(D_11-Pad2): length 11
  Bottom w0.25: D_11.2 225.73,86.07 arc(224.8,88.31) K_11.2
Net-(D_12-Pad2): length 11
  Bottom w0.25: D_12.2 244.78,86.07 arc(243.85,88.31) K_12.2
Net-(D_13-Pad2): length 22.5
  Bottom w0.25: D_13.2 272.3,80.07 arc(269.87,81.07) 268.86,83.51 268.86,87.92 arc(269.25,88.85) K_13.2
Net-(D_14-Pad2): length 13.8
  Bottom w0.25: D_14.2 25.86,62.1 arc(23.49,67.82) K_14.2
Net-(D_15-Pad2): length 11.1
  Bottom w0.25: D_15.2 44.91,66.87 arc(43.94,69.22) K_15.2
Net-(D_16-Pad2): length 11.1
  Bottom w0.25: D_16.2 63.96,66.87 arc(62.99,69.22) K_16.2
Net-(D_17-Pad2): length 11.1
  Bottom w0.25: D_17.2 83.01,66.87 arc(82.04,69.22) K_17.2
Net-(D_18-Pad2): length 11.1
  Bottom w0.25: D_18.2 102.06,66.87 arc(101.09,69.22) K_18.2
Net-(D_19-Pad2): length 11.1
  Bottom w0.25: D_19.2 121.11,66.87 arc(120.14,69.22) K_19.2
Net-(D_20-Pad2): length 11.1
  Bottom w0.25: D_20.2 140.16,66.87 arc(139.19,69.22) K_20.2
Net-(D_21-Pad2): length 11.1
  Bottom w0.25: D_21.2 159.21,66.87 arc(158.24,69.22) K_21.2
Net-(D_22-Pad2): length 11.1
  Bottom w0.25: D_22.2 178.26,66.87 arc(177.29,69.22) K_22.2
Net-(D_23-Pad2): length 11.1
  Bottom w0.25: D_23.2 197.31,66.87 arc(196.34,69.22) K_23.2
Net-(D_24-Pad2): length 11.1
  Bottom w0.25: D_24.2 216.36,66.87 arc(215.39,69.22) K_24.2
Net-(D_25-Pad2): length 11.1
  Bottom w0.25: D_25.2 235.41,66.87 arc(234.44,69.22) K_25.2
Net-(D_26-Pad2): length 11.1
  Bottom w0.25: D_26.2 254.46,66.87 arc(253.49,69.22) K_26.2
Net-(D_28-Pad2): length 11.4
  Bottom w0.25: K_29.2 arc(19.12,50.7) 18.68,49.64 18.68,44.46 arc(19.4,42.71) D_28.2
Net-(D_29-Pad2): length 11.1
  Bottom w0.25: D_29.2 49.72,47.77 arc(48.73,50.15) K_30.2
Net-(D_30-Pad2): length 11.1
  Bottom w0.25: D_30.2 68.77,47.77 arc(67.78,50.15) K_31.2
Net-(D_31-Pad2): length 11.1
  Bottom w0.25: D_31.2 87.82,47.77 arc(86.83,50.15) K_32.2
Net-(D_32-Pad2): length 11.1
  Bottom w0.25: D_32.2 106.87,47.77 arc(105.88,50.15) K_33.2
Net-(D_33-Pad2): length 11.1
  Bottom w0.25: D_33.2 125.92,47.77 arc(124.93,50.15) K_34.2
Net-(D_34-Pad2): length 11.1
  Bottom w0.25: D_34.2 144.97,47.77 arc(143.98,50.15) K_35.2
Net-(D_35-Pad2): length 10.8
  Bottom w0.25: D_35.2 164.02,47.49 arc(163.03,49.88) 160.65,50.86
Net-(D_36-Pad2): length 10.3
  Bottom w0.25: D_36.2 183.07,46.94 arc(182.08,49.33) 179.7,50.31
Net-(D_37-Pad2): length 11.1
  Bottom w0.25: D_37.2 202.12,47.77 arc(201.13,50.15) K_38.2
Net-(D_38-Pad2): length 11.1
  Bottom w0.25: D_38.2 221.17,47.77 arc(220.18,50.15) K_39.2
Net-(D_39-Pad2): length 11.1
  Bottom w0.25: D_39.2 240.22,47.77 arc(239.23,50.15) K_40.2
Net-(D_40-Pad2): length 11.1
  Bottom w0.25: D_40.2 259.27,47.77 arc(258.28,50.15) K_41.2
Net-(D_41-Pad2): length 21.7
  Bottom w0.25: D_41.2 282.73,55.27 arc(281.15,59.08) K_42.2
Net-(D_42-Pad2): length 12.4
  Bottom w0.25: D_42.2 21,26.48 arc(19.35,30.45) K_44.2
Net-(D_43-Pad2): length 11
  Bottom w0.25: D_43.2 40.05,28.87 arc(39.1,31.15) K_45.2
Net-(D_44-Pad2): length 11
  Bottom w0.25: D_44.2 59.1,28.87 arc(58.15,31.15) K_46.2
Net-(D_45-Pad2): length 10.1
  Bottom w0.25: D_45.2 78.15,28.87 arc(77.2,31.15) K_47.2
Net-(D_46-Pad2): length 11
  Bottom w0.25: D_46.2 97.2,28.87 arc(96.25,31.15) K_48.2
Net-(D_47-Pad2): length 11
  Bottom w0.25: D_47.2 116.25,28.87 arc(115.3,31.15) K_49.2
Net-(D_48-Pad2): length 11
  Bottom w0.25: D_48.2 135.3,28.87 arc(134.35,31.15) K_50.2
Net-(D_49-Pad2): length 9.9
  Bottom w0.25: D_49.2 154.35,28.87 arc(153.4,31.15) K_51.2
Net-(D_50-Pad2): length 11
  Bottom w0.25: D_50.2 173.4,28.87 arc(172.45,31.15) K_52.2
Net-(D_51-Pad2): length 11
  Bottom w0.25: D_51.2 192.45,28.87 arc(191.5,31.15) K_53.2
Net-(D_52-Pad2): length 11
  Bottom w0.25: D_52.2 211.5,28.87 arc(210.55,31.15) K_54.2
Net-(D_53-Pad2): length 11
  Bottom w0.25: D_53.2 230.55,28.87 arc(229.6,31.15) K_55.2
Net-(D_54-Pad2): length 11.3
  Bottom w0.25: D_54.2 257.28,28.34 arc(256.19,30.99) K_56.2
Net-(D_55-Pad2): length 11
  Bottom w0.25: D_55.2 282.93,28.87 arc(281.99,31.15) K_57.2
Net-(D_56-Pad2): length 5.6
  Bottom w0.25: D_56.2 301.9,28.95 arc(300.98,31.17) K_58.2
Net-(D_57-Pad2): length 15.8
  Bottom w0.25: K_59.2 307.99,32.09 arc(305.31,30.98) D_57.2
Net-(D_58-Pad2): length 15.2
  Bottom w0.25: 21.84,5.54 16.08,5.54 arc(14.64,6.13) 14.05,7.57 14.05,11.7 arc(14.44,12.65) K_60.2
Net-(D_59-Pad2): length 7.3
  Bottom w0.25: D_59.2 arc(43.3,11.68) 40.01,13.04
Net-(D_60-Pad2): length 7.3
  Bottom w0.25: 63.82,13.04 arc(67.11,11.68) D_60.2
Net-(D_61-Pad2): length 17.6
  Bottom w0.25: K_63.2 106.68,13.04 arc(109.97,11.68) D_61.2
Net-(D_62-Pad2): length 12.9
  Bottom w0.25: K_64.2 140.02,13.04 arc(143.31,11.68) D_62.2
Net-(D_63-Pad2): length 16
  Bottom w0.25: D_63.2 186.22,7.5 arc(182.19,8.3) 178.78,10.58 arc(176.05,12.4) 172.84,13.04
Net-(D_64-Pad2): length 5.7
  Bottom w0.25: D_64.2 206.58,9.26 arc(205.68,11.43) 203.51,12.33
Net-(D_65-Pad2): length 5.6
  Bottom w0.25: D_65.2 225.63,9.17 arc(224.73,11.35) 222.56,12.25
Net-(D_66-Pad2): length 6.4
  Bottom w0.25: D_66.2 244.68,9.97 arc(243.78,12.14) K_68.2
Net-(D_67-Pad2): length 6.4
  Bottom w0.25: D_67.2 263.73,9.97 arc(262.83,12.14) K_69.2
Net-(D_68-Pad2): length 6.4
  Bottom w0.25: D_68.2 282.78,9.97 arc(281.88,12.14) K_70.2
Net-(D_69-Pad2): length 6.4
  Bottom w0.25: D_69.2 301.83,9.97 arc(300.93,12.14) K_71.2
Net-(D_70-Pad2): length 16.2
  Bottom w0.25: K_72.2 308.9,13.04 arc(305.61,11.68) D_70.2

## Copper pours and planes (outline as drawn; the poured copper is in the pictures)
gnd on Top: 320.82,-0.05 -1.55,-0.05 -1.55,99.4 320.82,99.4
gnd on Bottom: 320.82,-0.05 -1.55,-0.05 -1.55,99.4 320.82,99.4

## Text on the board
F.Silkscreen: A Raspberry Pi Pico / or compatible / alternative can be / installed here | GP22, GP26, GP27 and GP28 are spare. | USB | http://github.com/Envious-Data/Env-KB65M / http://mechboards.co.uk
